# KiCad board central-control-unit.kicad_pcb (continued)
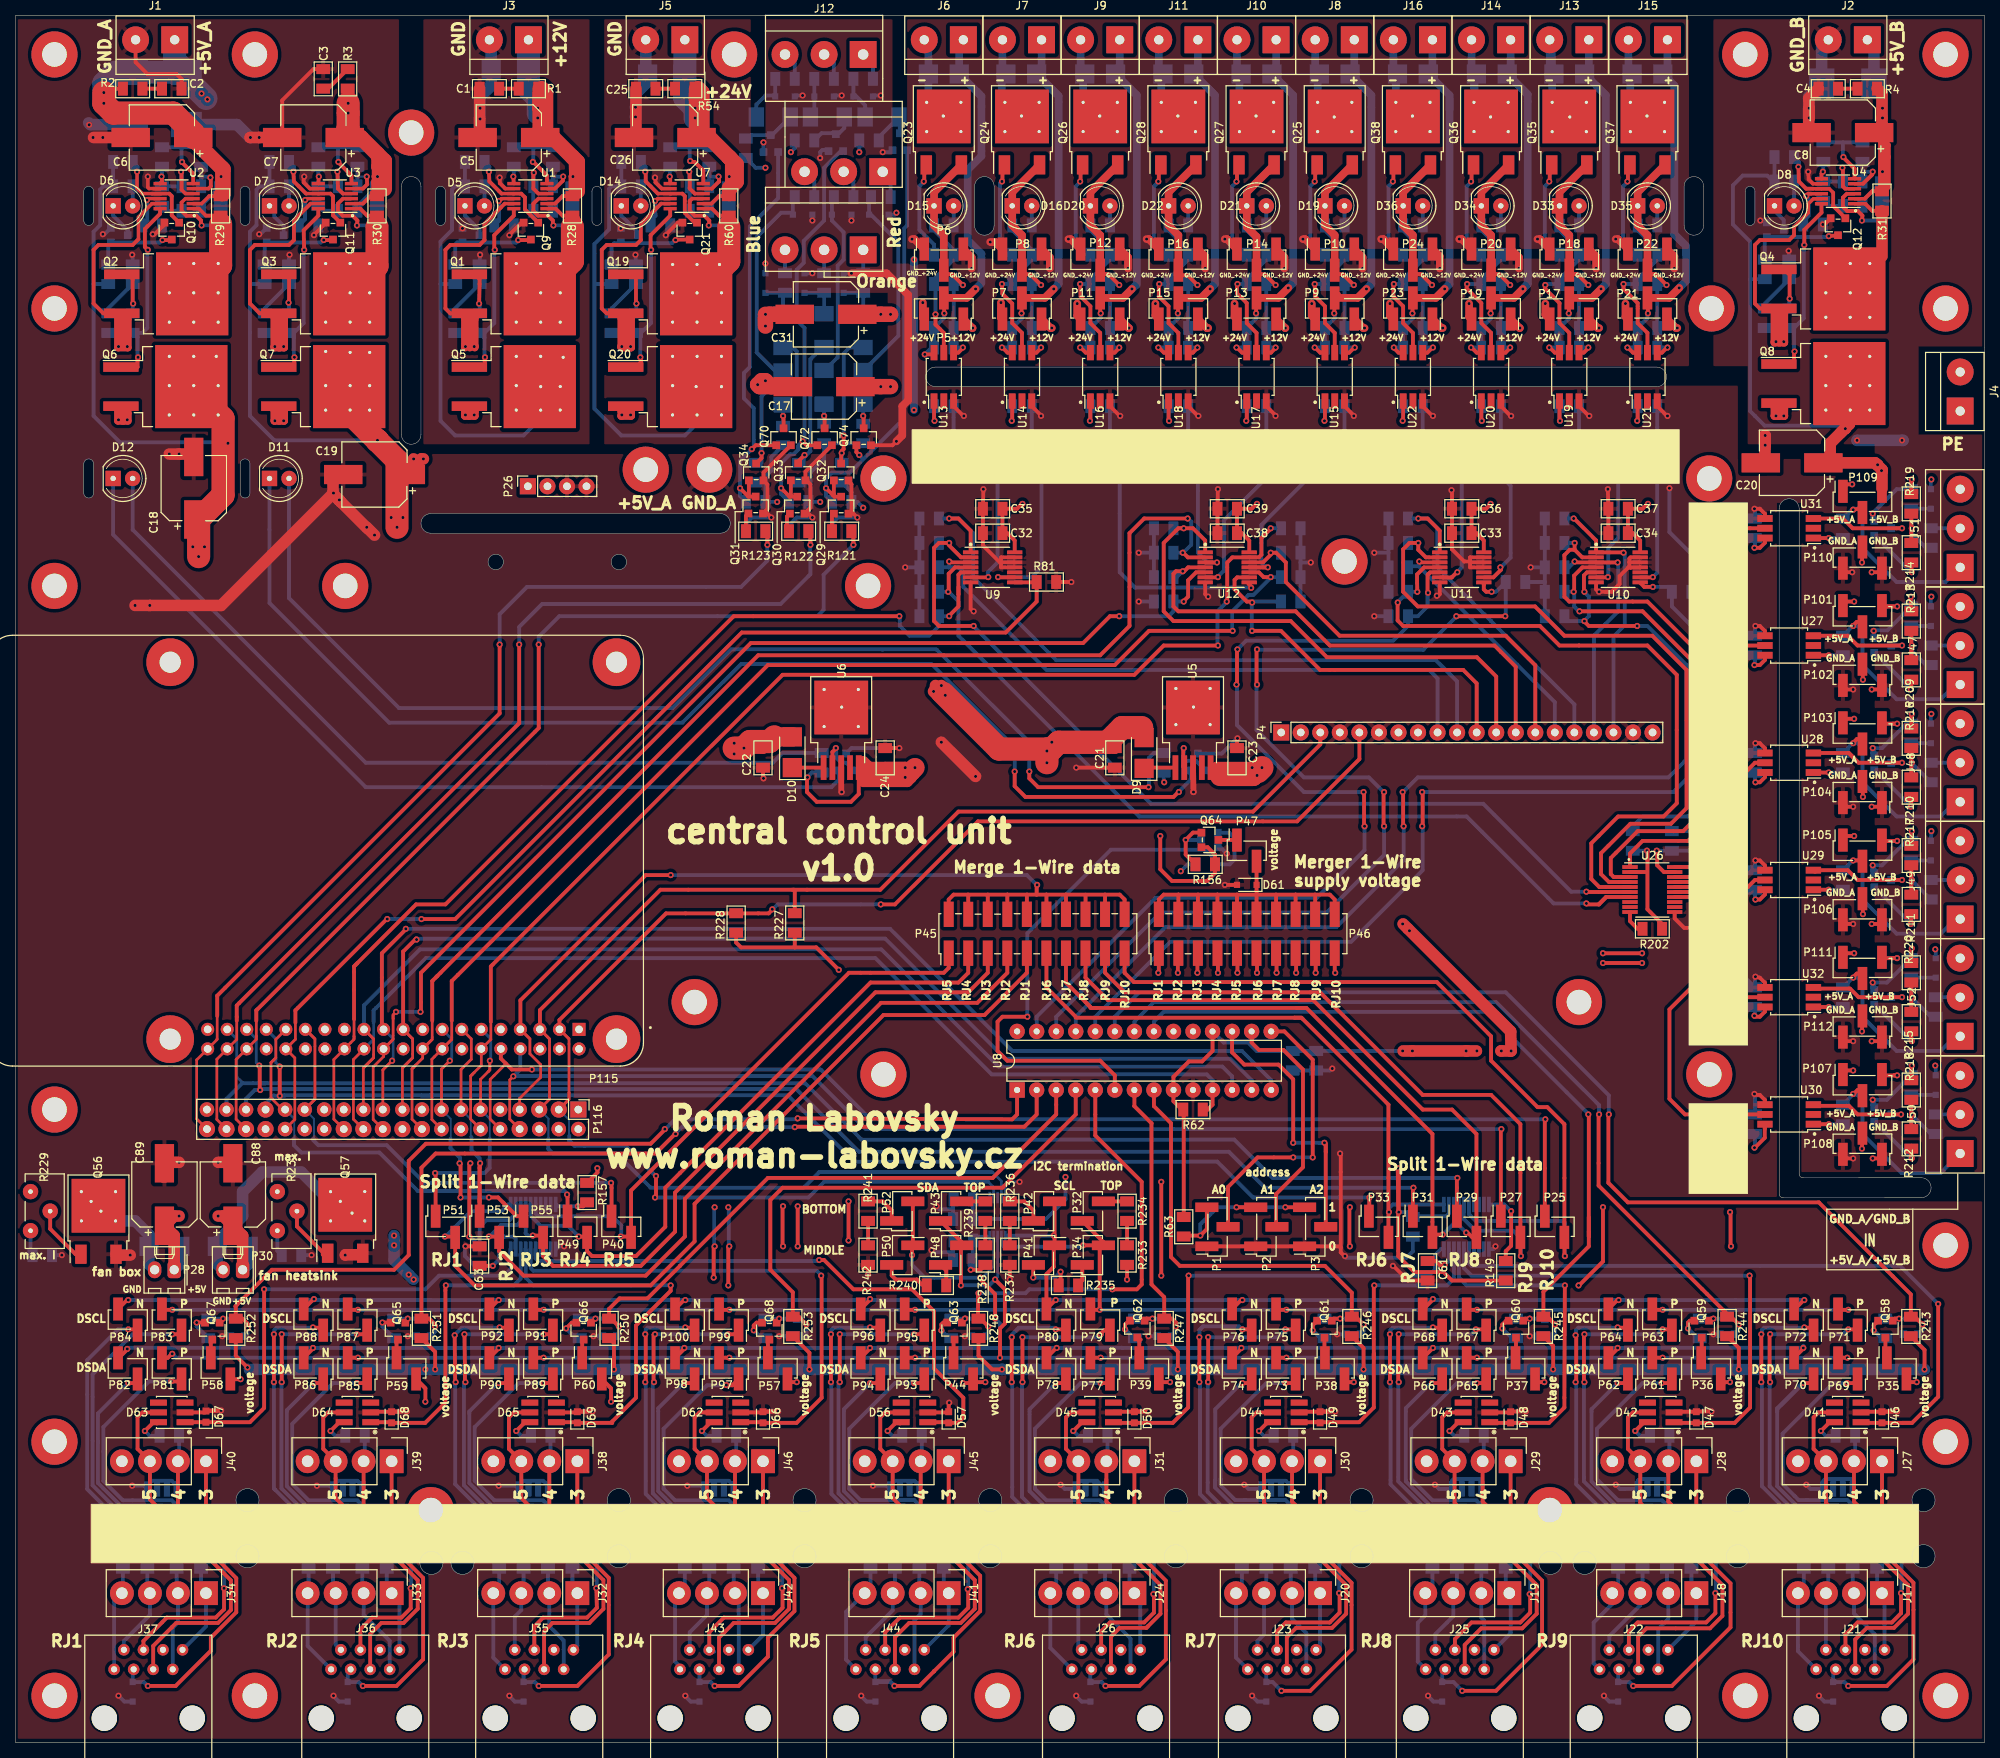
[diagram p0: board, top side]
## Placement (name value [footprint] x y rotation side) (continued)
~#152  ~  [via_pad_0.4x0.8mm]  140.91 211.45 0 top
~#153  ~  [via_pad_0.4x0.8mm]  46.04 180.72 0 top
~#154  ~  [via_pad_0.4x0.8mm]  161.23 211.45 0 top
~#155  ~  [via_pad_0.4x0.8mm]  171.39 211.33 0 top
~#156  ~  [via_pad_0.4x0.8mm]  26.35 192.28 0 top
~#157  ~  [via_pad_0.4x0.8mm]  71.18 180.09 0 top
~#158  ~  [via_pad_0.4x0.8mm]  26.1 180.21 0 top
~#159  ~  [via_pad_0.4x0.8mm]  201.99 211.33 0 top
~#160  ~  [via_pad_0.4x0.8mm]  9.84 70.36 0 top
~#161  ~  [via_pad_0.4x0.8mm]  70.8 192.28 0 top
~#162  ~  [via_pad_0.4x0.8mm]  40.32 192.28 0 top

## Library data of the parts
C1-C4 C9-C16 C21-C25 C27-C30 C32-C87 = -: Description: Unpolarized capacitor. Size 1206.
C5-C8 C17-C20 C26 C31 C88 C89 = -: Description: Polarized capacitor. Size 8x10.5 mm.
D1 = -: Description: Bidirectional transil diode.
D2-D4 D13 = -: Description: Template. Bidirectional transil diode.
D5-D8 D11 D12 D14 = -: Description: Template. Light emitting diode. Red color. Cylindrical with flange type.
D9 D10 D17 D18 D23-D26 D37-D40 D58 D59 = -: Description: Schottky diode.
D15 D16 D19-D22 D33-D36 = -: Description: Light emitting diode. Green color. Cylindrical with flange type.
D27-D29 D90-D95 = -: Description: Schottky diode
D30-D32 D46-D55 D57 D60 D61 D66-D73 D84-D89 D96-D101 = -: Description: Unidirectional transil diode.
D41-D45 D56 D62-D65 = -: Description: ESD protection diode with resistors 5 ohm in A and K. US symbol.
D74-D83 = -: Description: Bi-directional ESD Protection for High-Speed Data Line.
H1-H32 = -: Description: Mounting hole with connection. Size 3.2x6 mm.
J1-J11 J13-J16 = -: Description: Template. 1x2 screw terminal block.
J12 = -: Description: 3x3 screw terminal block
J17-J20 J24 J27-J34 J38-J42 J45 J46 = -: Description: IDC LSA connector 1x4
J21-J23 J25 J26 J35-J37 J43 J44 = -: Description: Template. RJ45 connector, (8 positions 8 connected).
J47-J52 = -: Description: Template. Screw terminal block 1x3.
P1-P3 P5-P24 P101-P112 = -: Description: 1x3 pin header
P4 = -: Description: 1x20 pin socket
P25 P27 P29 P31-P44 P47-P53 P55 P57-P100 = -: Description: Template. 1x2 pin header.
P26 = -: Description: 1x4 pin socket. Height 8.5 mm.
P45 P46 = -: Description: 2x10 pin header; Datasheet2: https://cdn.amphenol-cs.com/media/wysiwyg/files/documentation/datasheet/boardwiretoboard/bwb_bergstik.pdf
P115 = -: Description: 2x20 pin socket
P116 = -: Description: 2x20 pin header
Q1-Q16 Q19-Q55 Q69-Q74 = -: Description: Mosfet n-channel.
Q17 Q18 = -: Description: P-MOSFET transistor, gate/source/drain
Q56 Q57 = -: Description: Template. Mosfet n-channel.
Q58-Q68 = -: Description: P-MOSFET transistor, gate/source/drain.
R1-R228 R230 R232-R275 = -: Description: Resistor. US symbol. Size 1206.
R229 R231 = -: Description: Varaible resistor. US symbol.
U1-U4 U7 = -: Description: Micropower Hot Swap Controller. MSOP-12. Analog Devices; Manufacturer: Analog Devices
U5 U6 = -: Description: Low-Dropout Regulator. Output voltage 3.3 V. TO-252-5.
U8 = -: Description: 16-bit I/O expander, SPI, interrupts, w pull-ups, SOIC-28; Manufacturer: Microchip
U9-U11 = -: Description: Automotive triplicate 3-input OR gates with Schmitt-trigger inputs; Manufacturer: Texas Instruments
U12 = -: Description: Automotive quadruple 2-input OR gates with Schmitt-trigger inputs; Manufacturer: Texas Instruments
U13-U22 U27-U32 = -: Description: Optocoupler TLP2345
U23 U24 U26 = -: Description: Bidirectional  level-shifting voltage translator, 8-bit; Manufacturer: Texas Instruments
U25 = -: Description: 2-channel multipoint Fast-mode Plus differential I2C-bus buffer; Manufacture: NXP Semiconductors

## Footprints (pads in the part's own frame, mm; a bottom-side part is the same pattern mirrored in y, then rotated)
1x2_pin_header_2.54mm_vertical
  rect 1.25x3 smd: 1(-1.27,1.375) 2(1.27,-1.375)
1x3_pin_header_2.54mm_vertical
  rect 1.25x3 smd: 1(-2.54,1.375) 2(0,-1.375) 3(2.54,1.375)
1x4_idc_lsa_connector_general
  rect 3.1x3.1 hole 1.5: 1(0,0)
  oval 3.1x3.1 hole 1.5: 2(0,-3.64) 3(0,-7.28) 4(0,-10.92)
1x4_pin_socket_2.54mm_vertical_8.5mm
  rect 2.1x2.1 hole 1: 1(0,0)
  oval 2.1x2.1 hole 1: 2(0,-2.54) 3(0,-5.08) 4(0,-7.62)
1x20_pin_socket_2.54mm_vertical_8.5mm
  rect 2.1x2.1 hole 1: 1(0,0)
  round 2.1 hole 1: 2(0,-2.54) 3(0,-5.08) 4(0,-7.62) 5(0,-10.16) 6(0,-12.7) 7(0,-15.24) 8(0,-17.78) 9(0,-20.32) 10(0,-22.86) 11(0,-25.4) 12(0,-27.94) 13(0,-30.48) 14(0,-33.02) 15(0,-35.56) 16(0,-38.1) 17(0,-40.64) 18(0,-43.18) 19(0,-45.72) 20(0,-48.26)
2x10_pin_header_2.54mm_vertical
  rect 1.3x3.3 smd: 1(-11.43,-2.525) 2(-11.43,2.525) 3(-8.89,-2.525) 5(-6.35,-2.525) 6(-6.35,2.525) 7(-3.81,-2.525) 8(-3.81,2.525) 9(-1.27,-2.525) 10(-1.27,2.525) 11(1.27,-2.525) 12(1.27,2.525) 13(3.81,-2.525) 14(3.81,2.525) 15(6.35,-2.525) 16(6.35,2.525) 17(8.89,-2.525) 18(8.89,2.525) 19(11.43,-2.525) 20(11.43,2.525)
  rect 1.3x3.25 smd: 4(-8.89,2.525)
2x20_pin_header_2.54mm_vertical
  rect 2.1x2.1 hole 1: 1(-1.27,0)
  oval 1.9x1.9 hole 1: 2(1.27,0) 4(1.27,-2.54) 6(1.27,-5.08) 7(-1.27,-7.62) 9(-1.27,-10.16) 10(1.27,-10.16) 11(-1.27,-12.7) 12(1.27,-12.7) 13(-1.27,-15.24) 14(1.27,-15.24) 15(-1.27,-17.78) 16(1.27,-17.78) 17(-1.27,-20.32) 19(-1.27,-22.86) 21(-1.27,-25.4) 23(-1.27,-27.94) 25(-1.27,-30.48) 27(-1.27,-33.02) 28(1.27,-33.02) 29(-1.27,-35.56) 30(1.27,-35.56) 31(-1.27,-38.1) 32(1.27,-38.1) 35(-1.27,-43.18) 37(-1.27,-45.72) 39(-1.27,-48.26)
  oval 2.1x2.1 hole 1: 3(-1.27,-2.54) 5(-1.27,-5.08) 8(1.27,-7.62) 18(1.27,-20.32) 20(1.27,-22.86) 22(1.27,-25.4) 24(1.27,-27.94) 26(1.27,-30.48) 33(-1.27,-40.64) 34(1.27,-40.64) 36(1.27,-43.18) 38(1.27,-45.72) 40(1.27,-48.26)
54601-908WPLF
  round 3.3 hole 3.3 unplated: (-5.716,0) (5.716,0)
  round 1.5 hole 0.8: 1(-4.444,6.35) 2(-3.174,8.89) 3(-1.904,6.35) 4(-0.634,8.89) 5(0.636,6.35) 6(1.906,8.89) 7(3.176,6.35) 8(4.446,8.89)
AKZ770_3-5.08-V-GREEN
  rect 3.5x3.5 hole 1.35: 1(-5.08,10.16) 4(-7.62,0) 7(-5.08,-15.24)
  round 3.5 hole 1.35: 2(0,10.16) 3(5.08,10.16) 5(-2.54,0) 6(2.54,0) 8(0,-15.24) 9(5.08,-15.24)
c_1206
  trapezoid 1.3x1.8 smd: 1(-1.27,0) 2(1.27,0)
c_elec_8x10.5
  rect 5x2.5 smd: 1(-4.064,0) 2(4.064,0)
EBBA-02-C-SS-BU
  rect 3.5x3.5 hole 1.2: 1(-2.54,0)
  round 3.5 hole 1.2: 2(2.54,0)
EBBA-03-C-SS-BU
  rect 3.5x3.5 hole 1.2: 1(-5.08,0)
  round 3.5 hole 1.2: 2(0,0) 3(5.08,0)
led_d5mm_2.54mm
  rect 2x2 hole 0.7: 1(-1.27,0)
  round 2 hole 0.7: 2(1.27,0)
module_raspberry_pi_4b
  rect 1.7x1.7 hole 1: 1(-34.13,23.23)
  round 1.7 hole 1: 2(-34.13,25.77) 3(-31.59,23.23) 4(-31.59,25.77) 5(-29.05,23.23) 6(-29.05,25.77) 7(-26.51,23.23) 8(-26.51,25.77) 9(-23.97,23.23) 10(-23.97,25.77) 11(-21.43,23.23) 12(-21.43,25.77) 13(-18.89,23.23) 14(-18.89,25.77) 15(-16.35,23.23) 16(-16.35,25.77) 17(-13.81,23.23) 18(-13.81,25.77) 19(-11.27,23.23) 20(-11.27,25.77) 21(-8.73,23.23) 22(-8.73,25.77) 23(-6.19,23.23) 24(-6.19,25.77) 25(-3.65,23.23) 26(-3.65,25.77) 27(-1.11,23.23) 28(-1.11,25.77) 29(1.43,23.23) 30(1.43,25.77) 31(3.97,23.23) 32(3.97,25.77) 33(6.51,23.23) 34(6.51,25.77) 35(9.05,23.23) 36(9.05,25.77) 37(11.59,23.23) 38(11.59,25.77) 39(14.13,23.23) 40(14.13,25.77)
  round 6.2 hole 2.75: S1(-39,24.5) S2(19,24.5) S3(19,-24.5) S4(-39,-24.5)
molex_kk_254_1x02_2.54mm_22112022_vertical
  rrect 1.74x2.19 hole 1.19: 1(-1.27,0)
  oval 1.74x2.19 hole 1.19: 2(1.27,0)
mounting_hole_pad_3.2x6mm
  round 6 hole 3.2: 1(0,0)
msop_12
  rect 1.7x0.45 smd: 1(-2.15,1.625) 2(-2.15,0.975) 3(-2.15,0.325) 4(-2.15,-0.325) 5(-2.15,-0.975) 6(-2.15,-1.625) 7(2.15,-1.625) 8(2.15,-0.975) 9(2.15,-0.325) 10(2.15,0.325) 11(2.15,0.975) 12(2.15,1.625)
r_1206
  trapezoid 1.3x1.8 smd: 1(-1.27,0) 2(1.27,0)
sma
  rect 2.5x2.5 smd: 1(-2,0) 2(2,0)
smb
  rect 2.5x2.5 smd: 1(-2.3,0) 2(2.3,0)
smc
  rect 3.3x4 smd: 1(-3.4,0) 2(3.4,0)
so_6
  rect 2x0.9 smd: 1(-3.15,1.27) 2(-3.15,0) 3(-3.15,-1.27) 4(3.15,-1.27) 5(3.15,0) 6(3.15,1.27)
sod_128
  rect 2x2.5 smd: 1(-2.2,0) 2(2.2,0)
sod_323
  rect 0.8x0.8 smd: 1(-1.27,0) 2(1.27,0)
sod_523
  rect 0.9x0.9 smd: 1(-0.725,0) 2(0.725,0)
soic_8_3.9mmx4.9mm
  rect 2x0.8 smd: 1(-2.76,1.905) 2(-2.76,0.635) 3(-2.76,-0.635) 4(-2.76,-1.905) 5(2.76,-1.905) 6(2.76,-0.635) 7(2.76,0.635) 8(2.76,1.905)
sot_23
  rect 1x1 smd: 1(-1,0.95) 2(-1,-0.95) 3(1.2,0)
spdip_28
  rect 2x2 hole 0.8: 1(-3.81,16.51)
  oval 2x2 hole 0.8: 2(-3.81,13.97) 3(-3.81,11.43) 4(-3.81,8.89) 5(-3.81,6.35) 6(-3.81,3.81) 7(-3.81,1.27) 8(-3.81,-1.27) 9(-3.81,-3.81) 10(-3.81,-6.35) 11(-3.81,-8.89) 12(-3.81,-11.43) 13(-3.81,-13.97) 14(-3.81,-16.51) 15(3.81,-16.51) 16(3.81,-13.97) 17(3.81,-11.43) 18(3.81,-8.89) 19(3.81,-6.35) 20(3.81,-3.81) 21(3.81,-1.27) 22(3.81,1.27) 23(3.81,3.81) 24(3.81,6.35) 25(3.81,8.89) 26(3.81,11.43) 27(3.81,13.97) 28(3.81,16.51)
T910Y
  round 2 hole 0.6: 1(2.54,-1.841) 2(0,0.711) 3(-2.54,-1.841)
to_252_2
  rect 3.05x2.75 smd: (0.425,1.525) (0.425,-1.525) (3.775,1.525) (3.775,-1.525)
  rect 2.5x1.5 smd: 1(-4.2,2.28) 2(-4.2,-2.28)
  rect 7x7 smd: 3(2.1,0)
to_252_5
  rect 3.05x2.75 smd: (0.425,1.525) (0.425,-1.525) (3.775,1.525) (3.775,-1.525)
  rect 3.2x0.75 smd: 1(-5.715,2.286) 2(-5.715,1.14) 3(-5.715,-0.003) 4(-5.715,-1.146) 5(-5.715,-2.28)
  rect 7x7 smd: 6(2.1,0)
to_263_2
  rect 4.55x5.25 smd: (0.95,2.775) (0.95,-2.775) (5.8,2.775) (5.8,-2.775)
  rect 4.6x1.25 smd: 1(-5.775,2.54) 2(-5.775,-2.54)
  rect 9.4x10.8 smd: 3(3.375,0)
tsoc_6
  rect 2.2x0.8 smd: 1(-1.727,1.27) 2(-1.727,0) 3(-1.727,-1.27) 4(1.727,-1.27) 5(1.727,0) 6(1.727,1.27)
tssop_10
  rect 1.5x0.35 smd: 1(-2.54,1) 2(-2.54,0.5) 3(-2.54,0) 4(-2.54,-0.5) 5(-2.54,-1) 6(2.54,-1) 7(2.54,-0.5) 8(2.54,0) 9(2.54,0.5) 10(2.54,1)
tssop_14
  rect 2x0.5 smd: 1(-2.862,1.95) 2(-2.862,1.3) 3(-2.862,0.65) 4(-2.862,0) 5(-2.862,-0.65) 6(-2.862,-1.3) 8(2.862,-1.95) 9(2.862,-1.3) 10(2.862,-0.65) 11(2.862,0) 12(2.862,0.65) 13(2.862,1.3) 14(2.862,1.95)
  trapezoid 2x0.5 smd: 7(-2.862,-1.95)
tssop_20
  rect 2x0.5 smd: 1(-2.902,4.225) 2(-2.902,3.575) 3(-2.902,2.925) 4(-2.902,2.275) 5(-2.902,1.625) 6(-2.902,0.975) 7(-2.902,0.325) 8(-2.902,-0.325) 9(-2.902,-0.975) 10(-2.902,-1.625) 11(2.902,-1.625) 12(2.902,-0.975) 13(2.902,-0.325) 14(2.902,0.325) 15(2.902,0.975) 16(2.902,1.625) 17(2.902,2.275) 18(2.902,2.925) 19(2.902,3.575) 20(2.902,4.225)
via_pad_0.4x0.8mm
  round 0.8 hole 0.4: (0,0)

## Nets
+5V_A: C6.1 C7.1 D2.1 D3.1 J1.1 R2.1 R3.1 R9.1 R14.1 R25.1 R26.1 R29.2 R30.2 U2.2 U3.2
+12V: C17.1 P5.1 P7.1 P9.1 P11.1 P13.1 P15.1 P17.1 P19.1 P21.1 P23.1 Q5.3 R40.1 R44.1 R48.1 ~#4. ~#7. ~#49. ~#50. ~#51. ~#52. ~#53. ~#54. ~#157.
+24V: C31.1 P5.3 P7.3 P9.3 P11.3 P13.3 P15.3 P17.3 P19.3 P21.3 P23.3 Q20.3 R65.1 R66.1 R67.1 ~#5. ~#6. ~#63. ~#64. ~#65. ~#66. ~#67. ~#68. ~#69.
GND_+12V: C1.2 C5.2 C9.2 C13.2 C17.2 D1.2 J3.2 P6.3 P8.3 P10.3 P12.3 P14.3 P16.3 P18.3 P20.3 P22.3 P24.3 Q9.2 Q13.2 U1.8
GND_+24V: C25.2 C26.2 C27.2 C28.2 C31.2 D13.2 J5.2 P6.1 P8.1 P10.1 P12.1 P14.1 P16.1 P18.1 P20.1 P22.1 P24.1 Q21.2 Q22.2 U7.8
GND_A: C2.2 C3.2 C6.2 C7.2 C10.2 C11.2 C14.2 C15.2 C18.2 C19.2 C21.2 C22.2 C23.2 C24.2 C29.2 C30.2 C32.1 C33.1 C34.1 C35.2 C36.2 C37.2 C38.1 C39.2 C60.1 C61.2 C62.1 C63.2 C64.2 C65.2 C66.2 C67.2 C68.1 C69.2 C70.2 C71.2 C72.2 C73.2 C74.2 C75.2 C76.2 C77.2 C78.2 C79.2 C80.2 C81.2 C88.2 C89.2 D2.2 D3.2 D30.2 D31.2 D32.2 D41.2 D42.2 D43.2 D44.2 D45.2 D46.2 D47.2 D48.2 D49.2 D50.2 D51.2 D52.2 D53.2 D54.2 D55.2 D56.2 D57.2 D60.2 D61.2 D62.2 D63.2 D64.2 D65.2 D66.2 D67.2 D68.2 D69.2 D70.2 D71.2 D72.2 D73.2 D74.5 D74.6 D74.7 D74.8 D75.5 D75.6 D75.7 D75.8 D76.5 D76.6 D76.7 D76.8 D77.5 D77.6 D77.7 D77.8 D78.5 D78.6 D78.7 D78.8 D79.5 D79.6 D79.7 D79.8 D80.5 D80.6 D80.7 D80.8 D81.5 D81.6 D81.7 D81.8 D82.5 D82.6 D82.7 D82.8 D83.5 D83.6 D83.7 D83.8 D96.2 D97.2 D98.2 D99.2 D100.2 D101.2 H2.1 J1.2 P1.1 P2.1 P3.1 P4.4 P4.6 P4.19 P26.3 P26.4 P102.3 P104.3 P106.3 P108.3 P110.3 P112.3 Q10.2 Q11.2 Q14.2 Q15.2 Q17.3 Q18.3 Q29.2 Q30.2 Q31.2 Q32.2 Q33.2 Q34.2 Q39.2 Q40.2 Q41.2 Q42.2 Q43.2 Q44.2 Q45.2 Q46.2 Q47.2 Q48.2 Q49.2 Q56.2 Q57.2 Q69.2 Q70.2 Q71.2 Q72.2 Q73.2 Q74.2 R68.2 R69.2 R70.2 R71.2 R72.2 R73.2 R74.2 R75.2 R76.2 R77.2 R78.2 R79.2 R80.2 R81.2 R82.2 R83.2 R84.2 R85.2 R86.2 R87.2 R88.2 R89.2 R90.2 R91.2 R92.2 R93.2 R118.2 R119.2 R120.2 R230.1 R232.1 R237.2 R242.2 U2.8 U3.8 U5.3 U5.6 U6.3 U6.6 U8.10 U9.7 U9.11 U9.12 U9.13 U10.7 U10.11 U10.12 U10.13 U11.7 U11.11 U11.12 U11.13 U12.7 U13.3 U14.3 U15.3 U16.3 U17.3 U18.3 U19.3 U20.3 U21.3 U22.3 U23.11 U24.11 U25.5 U26.11 U27.4 U28.4 U29.4 U30.4 U31.4 U32.4 ~#136. ~#137. ~#138. ~#139. ~#140. ~#141. ~#142. ~#143. ~#144. ~#145.
GND_B: C4.2 C8.2 C12.2 C16.2 C20.2 D4.2 J2.2 P102.1 P104.1 P106.1 P108.1 P110.1 P112.1 Q12.2 Q16.2 U4.8
1WIRE_CELLAR_FIREPLACE_DATA_3V3: P51.1 P115.11 P116.11
1WIRE_CELLAR_FIREPLACE_DATA_5V_CON: J37.4 J40.2 R274.2
1WIRE_CELLAR_FIREPLACE_GND_CON: D63.5 J37.5 J40.3
1WIRE_CELLAR_FIREPLACE_SUPPLY_5V_CON: D71.1 J37.3 J40.1 P46.1 P58.2
1WIRE_FIRST_FLOOR_FIREPLACE_DATA_3V3: P53.1 P115.13 P116.13
1WIRE_FIRST_FLOOR_FIREPLACE_DATA_5V_CON: J36.4 J39.2 R272.2
1WIRE_FIRST_FLOOR_FIREPLACE_GND_CON: D64.5 J36.5 J39.3
1WIRE_FIRST_FLOOR_FIREPLACE_SUPPLY_5V_CON: D72.1 J36.3 J39.1 P46.3 P59.2
1WIRE_FREE1_DATA_3V3: P33.1 P115.33 P116.33
1WIRE_FREE1_DATA_5V_CON: J26.4 J31.2 R269.2
1WIRE_FREE1_GND_CON: D45.5 J26.5 J31.3
1WIRE_FREE1_SUPPLY_5V_CON: D55.1 J26.3 J31.1 P39.2 P46.11
1WIRE_FREE2_DATA_3V3: P31.1 P115.35 P116.35
1WIRE_FREE2_DATA_5V_CON: J23.4 J30.2 R271.2
1WIRE_FREE2_GND_CON: D44.5 J23.5 J30.3
1WIRE_FREE2_SUPPLY_5V_CON: D54.1 J23.3 J30.1 P38.2 P46.13
1WIRE_FREE3_DATA_3V3: P29.1 P115.37 P116.37
1WIRE_FREE3_DATA_5V_CON: J25.4 J29.2 R268.2
1WIRE_FREE3_GND_CON: D43.5 J25.5 J29.3
1WIRE_FREE3_SUPPLY_5V_CON: D53.1 J25.3 J29.1 P37.2 P46.15
1WIRE_FREE4_DATA_3V3: P27.1 P115.8 P116.8
1WIRE_FREE4_DATA_5V_CON: J22.4 J28.2 R266.2
1WIRE_FREE4_GND_CON: D42.5 J22.5 J28.3
1WIRE_FREE4_SUPPLY_5V_CON: D52.1 J22.3 J28.1 P36.2 P46.17
1WIRE_FREE5_DATA_3V3: P25.1 P115.10 P116.10
1WIRE_FREE5_DATA_5V_CON: J21.4 J27.2 R270.2
1WIRE_FREE5_GND_CON: D41.5 J21.5 J27.3
1WIRE_FREE5_SUPPLY_5V_CON: D51.1 J21.3 J27.1 P35.2 P46.19
1WIRE_HOT_WATER_TANK_DATA_3V3: P49.1 P115.31 P116.31
1WIRE_HOT_WATER_TANK_DATA_5V_CON: J43.4 J46.2 R275.2
1WIRE_HOT_WATER_TANK_GND_CON: D62.5 J43.5 J46.3
1WIRE_HOT_WATER_TANK_SUPPLY_5V_CON: D70.1 J43.3 J46.1 P46.7 P57.2
1WIRE_MERGE_CONNECTION_DATA_3V3: P45.2 P45.4 P45.6 P45.8 P45.10 P45.12 P45.14 P45.16 P45.18 P45.20 P115.7 P116.7
1WIRE_OUTDOOR_SENSOR_DATA_3V3: P40.1 P115.29 P116.29
1WIRE_OUTDOOR_SENSOR_DATA_5V_CON: J44.4 J45.2 R267.2
1WIRE_OUTDOOR_SENSOR_GND_CON: D56.5 J44.5 J45.3
1WIRE_OUTDOOR_SENSOR_SUPPLY_5V_CON: D60.1 J44.3 J45.1 P44.2 P46.9
1WIRE_SECOND_FLOOR_FIREPLACE_DATA_3V3: P55.1 P115.15 P116.15
1WIRE_SECOND_FLOOR_FIREPLACE_DATA_5V_CON: J35.4 J38.2 R273.2
1WIRE_SECOND_FLOOR_FIREPLACE_GND_CON: D65.5 J35.5 J38.3
1WIRE_SECOND_FLOOR_FIREPLACE_SUPPLY_5V_CON: D73.1 J35.3 J38.1 P46.5 P60.2
/1-Wire bus/1WIRE_CELLAR_FIREPLACE_DATA_5V: D63.1 D67.1 U24.20
/1-Wire bus/1WIRE_CELLAR_FIREPLACE_DATA_OUT_3V3: P45.9 P51.2 U24.1
/1-Wire bus/1WIRE_FIRST_FLOOR_FIREPLACE_DATA_5V: D64.1 D68.1 U24.18
/1-Wire bus/1WIRE_FIRST_FLOOR_FIREPLACE_DATA_OUT_3V3: P45.7 P53.2 U24.3
/1-Wire bus/1WIRE_FREE1_DATA_5V: D45.1 D50.1 U23.20
/1-Wire bus/1WIRE_FREE1_DATA_OUT_3V3: P33.2 P45.11 U23.1
/1-Wire bus/1WIRE_FREE2_DATA_5V: D44.1 D49.1 U23.18
/1-Wire bus/1WIRE_FREE2_DATA_OUT_3V3: P31.2 P45.13 U23.3
/1-Wire bus/1WIRE_FREE3_DATA_5V: D43.1 D48.1 U23.17
/1-Wire bus/1WIRE_FREE3_DATA_OUT_3V3: P29.2 P45.15 U23.4
/1-Wire bus/1WIRE_FREE4_DATA_5V: D42.1 D47.1 U23.16
/1-Wire bus/1WIRE_FREE4_DATA_OUT_3V3: P27.2 P45.17 U23.5
/1-Wire bus/1WIRE_FREE5_DATA_5V: D41.1 D46.1 U23.15
/1-Wire bus/1WIRE_FREE5_DATA_OUT_3V3: P25.2 P45.19 U23.6
/1-Wire bus/1WIRE_HOT_WATER_TANK_DATA_5V: D62.1 D66.1 U24.16
/1-Wire bus/1WIRE_HOT_WATER_TANK_DATA_OUT_3V3: P45.3 P49.2 U24.5
/1-Wire bus/1WIRE_MERGE_CONNECTION_SUPPLY_5V_CON: D61.1 P46.2 P46.4 P46.6 P46.8 P46.10 P46.12 P46.14 P46.16 P46.18 P46.20 P47.2
/1-Wire bus/1WIRE_OUTDOOR_SENSOR_DATA_5V: D56.1 D57.1 U24.15
/1-Wire bus/1WIRE_OUTDOOR_SENSOR_DATA_OUT_3V3: P40.2 P45.1 U24.6
/1-Wire bus/1WIRE_SECOND_FLOOR_FIREPLACE_DATA_5V: D65.1 D69.1 U24.17
/1-Wire bus/1WIRE_SECOND_FLOOR_FIREPLACE_DATA_OUT_3V3: P45.5 P55.2 U24.4
/ Relays Outputs/BLUE_LED_CON_1: J12.3 R132.2
/ Relays Outputs/BLUE_LED_CON_2: J12.6 R261.2
/ Relays Outputs/BLUE_LED_CON_3: J12.9 R260.2
/ Relays Outputs/ORANGE_LED_CON_1: J12.2 R131.2
/ Relays Outputs/ORANGE_LED_CON_2: J12.5 R263.2
/ Relays Outputs/ORANGE_LED_CON_3: J12.8 R264.2
/ Relays Outputs/RED_LED_CON_1: J12.1 R130.2
/ Relays Outputs/RED_LED_CON_2: J12.4 R265.2
/ Relays Outputs/RED_LED_CON_3: J12.7 R262.2
/ Relays Outputs/TRAN_BLUE_LED: Q31.3 Q34.1 Q69.1 Q70.1 R126.2
/ Relays Outputs/TRAN_ORANGE_LED: Q30.3 Q33.1 Q72.1 Q73.1 R125.2
/ Relays Outputs/TRAN_RED_LED: Q29.3 Q32.1 Q71.1 Q74.1 R124.2
/Connectors/PCB_FREE1_5V: U26.16 U29.5
/Connectors/PCB_FREE2_5V: U26.17 U28.5
/Connectors/PCB_FREE3_5V: U26.18 U27.5
/Connectors/PCB_FREE4_5V: U26.20 U31.5
/Connectors/PCB_PUMP_UNDERFLOOR_HEATING_FIRST_FOOR_5V: U26.14 U30.5
/Connectors/PCB_PUMP_UNDERFLOOR_HEATING_SECOND_FOOR_5V: U26.15 U32.5
/I2C bus/DSCL_N: P41.1 P42.2 P64.2 P68.2 P72.2 P76.2 P80.2 P84.2 P88.2 P92.2 P96.2 P100.2 U25.6
/I2C bus/DSCL_P: P32.1 P34.2 P63.2 P67.2 P71.2 P75.2 P79.2 P83.2 P87.2 P91.2 P95.2 P99.2 U25.7
/I2C bus/DSDA_N: P50.1 P52.2 P62.2 P66.2 P70.2 P74.2 P78.2 P82.2 P86.2 P90.2 P94.2 P98.2 U25.9
/I2C bus/DSDA_P: P43.1 P48.2 P61.2 P65.2 P69.2 P73.2 P77.2 P81.2 P85.2 P89.2 P93.2 P97.2 U25.8
/MCP23S17_A0: P1.2 U8.15
/MCP23S17_A1: P2.2 U8.16
/MCP23S17_A2: P3.2 U8.17
CELLAR_FIREPLACE_DSCL_N_CON: J34.4 J37.1 R185.1
CELLAR_FIREPLACE_DSCL_P_CON: J34.3 J37.2 R184.1
CELLAR_FIREPLACE_DSDA_N_CON: J34.2 J37.7 R183.1
CELLAR_FIREPLACE_DSDA_P_CON: J34.1 J37.8 R182.1
Earth_Protective: J4.1 J4.2 P4.20
FIRST_FLOOR_FIREPLACE_DSCL_N_CON: J33.4 J36.1 R189.1
FIRST_FLOOR_FIREPLACE_DSCL_P_CON: J33.3 J36.2 R188.1
FIRST_FLOOR_FIREPLACE_DSDA_N_CON: J33.2 J36.7 R187.1
FIRST_FLOOR_FIREPLACE_DSDA_P_CON: J33.1 J36.8 R186.1
FREE1_DSCL_N_CON: J24.4 J26.1 R181.1
FREE1_DSCL_P_CON: J24.3 J26.2 R180.1
FREE1_DSDA_N_CON: J24.2 J26.7 R179.1
FREE1_DSDA_P_CON: J24.1 J26.8 R178.1
FREE2_DSCL_N_CON: J20.4 J23.1 R177.1
FREE2_DSCL_P_CON: J20.3 J23.2 R176.1
FREE2_DSDA_N_CON: J20.2 J23.7 R175.1
FREE2_DSDA_P_CON: J20.1 J23.8 R174.1
FREE3_DSCL_N_CON: J19.4 J25.1 R169.1
FREE3_DSCL_P_CON: J19.3 J25.2 R168.1
FREE3_DSDA_N_CON: J19.2 J25.7 R167.1
FREE3_DSDA_P_CON: J19.1 J25.8 R166.1
FREE4_DSCL_N_CON: J18.4 J22.1 R165.1
FREE4_DSCL_P_CON: J18.3 J22.2 R164.1
FREE4_DSDA_N_CON: J18.2 J22.7 R163.1
FREE4_DSDA_P_CON: J18.1 J22.8 R162.1
FREE5_DSCL_N_CON: J17.4 J21.1 R173.1
FREE5_DSCL_P_CON: J17.3 J21.2 R172.1
FREE5_DSDA_N_CON: J17.2 J21.7 R171.1
FREE5_DSDA_P_CON: J17.1 J21.8 R170.1
HOT_WATER_TANK_DSCL_N_CON: J42.4 J43.1 R201.1
HOT_WATER_TANK_DSCL_P_CON: J42.3 J43.2 R200.1
HOT_WATER_TANK_DSDA_N_CON: J42.2 J43.7 R199.1
HOT_WATER_TANK_DSDA_P_CON: J42.1 J43.8 R198.1
I2C_SCL: P4.3 P115.5 P116.5 R227.2 U25.4
I2C_SDA: P4.5 P115.3 P116.3 R228.2 U25.2
OTHER_+3V3: C23.1 P4.2 P4.8 R52.1 U5.5
OTHER_+5V_A: C19.1 C21.1 C61.1 C63.1 C66.1 C67.1 C69.1 C70.1 C71.1 C72.1 C73.1 C74.1 C75.1 C76.1 C77.1 C78.1 C79.1 C80.1 C81.1 C88.1 C89.1 D9.2 D58.1 D59.1 P4.1 P28.1 P30.1 P101.1 P103.1 P105.1 P107.1 P109.1 P111.1 Q7.3 Q58.2 Q59.2 Q60.2 Q61.2 Q62.2 Q63.2 Q64.2 Q65.2 Q66.2 Q67.2 Q68.2 R42.1 R46.1 R50.1 R124.1 R125.1 R126.1 R127.1 R128.1 R129.1 R150.1 R151.1 R152.1 R153.1 R154.1 R155.1 R156.1 R158.1 R159.1 R160.1 R161.1 R229.3 R231.3 R233.1 R238.1 R254.1 R255.1 R256.1 R257.1 R258.1 R259.1 U23.19 U24.19 U25.10 U26.19 U27.6 U28.6 U29.6 U30.6 U31.6 U32.6 ~#17. ~#18. ~#19. ~#20. ~#21. ~#22. ~#23. ~#24. ~#153.
OTHER_+5V_B: C20.1 P101.3 P103.3 P105.3 P107.3 P109.3 P111.3 Q8.3 R43.1 R47.1 R51.1 ~#119. ~#120. ~#121. ~#122. ~#123. ~#124. ~#125. ~#126. ~#127.
OUTDOOR_SENSOR_DSCL_N_CON: J41.4 J44.1 R197.1
OUTDOOR_SENSOR_DSCL_P_CON: J41.3 J44.2 R196.1
OUTDOOR_SENSOR_DSDA_N_CON: J41.2 J44.7 R195.1
OUTDOOR_SENSOR_DSDA_P_CON: J41.1 J44.8 R194.1
PCB_FREE1_3V3: R79.1 U11.4 U26.5
PCB_FREE2_3V3: R78.1 U11.2 U26.4
PCB_FREE3_3V3: R76.1 U10.4 U26.3
PCB_FREE4_3V3: R77.1 U10.2 U26.1
PCB_PUMP_UNDERFLOOR_HEATING_FIRST_FOOR_3V3: R74.1 U9.4 U26.7
PCB_PUMP_UNDERFLOOR_HEATING_SECOND_FOOR_3V3: R75.1 U9.2 U26.6
RELAY_BOILER_3V3: R102.1 U12.11
RELAY_FREE1_3V3: R136.1 U11.6
RELAY_FREE2_3V3: R134.1 U11.9
RELAY_FREE3_3V3: R133.1 U10.6
RELAY_FREE4_3V3: R135.1 U10.9
RELAY_PUMP_FIREPLACE_CELLAR_3V3: R103.1 U12.8
RELAY_PUMP_FIREPLACE_FIRST_FLOOR_3V3: R105.1 U12.3
RELAY_PUMP_FIREPLACE_SECOND_FLOOR_3V3: R104.1 U12.6
RELAY_PUMP_UNDERFLOOR_HEATING_FIRST_FOOR_3V3: R94.1 U9.6
RELAY_PUMP_UNDERFLOOR_HEATING_SECOND_FOOR_3V3: R95.1 U9.9
RESET_1WIRE_CELLAR_FIREPLACE_SUPPLY: Q47.1 R252.2 U8.1
RESET_1WIRE_FIRST_FLOOR_FIREPLACE_SUPPLY: Q48.1 R251.2 U8.2
RESET_1WIRE_FREE1_SUPPLY: Q43.1 R247.2 U8.7
RESET_1WIRE_FREE2_SUPPLY: Q42.1 R246.2 U8.8
RESET_1WIRE_FREE3_SUPPLY: Q41.1 R245.2 U8.21
RESET_1WIRE_FREE4_SUPPLY: Q40.1 R244.2 U8.22
RESET_1WIRE_FREE5_SUPPLY: Q39.1 R243.2 U8.23
RESET_1WIRE_HOT_WATER_TANK_SUPPLY: Q46.1 R253.2 U8.4
RESET_1WIRE_MERGE_CONNECTION_SUPPLY: Q45.1 R249.2 U8.6
RESET_1WIRE_OUTDOOR_SENSOR_SUPPLY: Q44.1 R248.2 U8.5
RESET_1WIRE_SECOND_FLOOR_FIREPLACE_SUPPLY: Q49.1 R250.2 U8.3
RPI_BLUE_LED_3V3: P115.40 P116.40 R120.1 R123.2
RPI_BOILER_3V3: P115.12 P116.12 R93.1 U12.13
RPI_FREE1_3V3: R85.1 U8.27 U11.5
RPI_FREE2_3V3: R84.1 U8.26 U11.8
RPI_FREE3_3V3: R82.1 U8.25 U10.5
RPI_FREE4_3V3: R83.1 U8.24 U10.8
RPI_ORANGE_LED_3V3: P115.38 P116.38 R119.1 R122.2
RPI_PUMP_FIREPLACE_CELLAR_3V3: P115.16 P116.16 R92.1 U12.10
RPI_PUMP_FIREPLACE_FIRST_FLOOR_3V3: P115.18 P116.18 R90.1 U12.2
RPI_PUMP_FIREPLACE_SECOND_FLOOR_3V3: P115.22 P116.22 R91.1 U12.5
RPI_PUMP_UNDERFLOOR_HEATING_FIRST_FOOR_3V3: P115.26 P116.26 R80.1 U9.5
RPI_PUMP_UNDERFLOOR_HEATING_SECOND_FOOR_3V3: P115.32 P116.32 R81.1 U9.8
RPI_RED_LED_3V3: P115.36 P116.36 R118.1 R121.2
SECOND_FLOOR_FIREPLACE_DSCL_N_CON: J32.4 J35.1 R193.1
SECOND_FLOOR_FIREPLACE_DSCL_P_CON: J32.3 J35.2 R192.1
SECOND_FLOOR_FIREPLACE_DSDA_N_CON: J32.2 J35.7 R191.1
SECOND_FLOOR_FIREPLACE_DSDA_P_CON: J32.1 J35.8 R190.1
SPI_CLK: P115.23 P116.23 U8.12
SPI_CS: P115.24 P116.24 R62.2 U8.11
SPI_MISO: P115.21 P116.21 U8.14
SPI_MOSI: P115.19 P116.19 U8.13
SWITCH_BOILER_3V3: P4.14 R89.1 U12.12
SWITCH_FREE1_3V3: P4.15 R73.1 U11.3
SWITCH_FREE2_3V3: P4.16 R72.1 U11.1
SWITCH_FREE3_3V3: P4.17 R70.1 U10.3
SWITCH_FREE4_3V3: P4.18 R71.1 U10.1
SWITCH_PUMP_FIREPLACE_CELLAR_3V3: P4.11 R88.1 U12.9
SWITCH_PUMP_FIREPLACE_FIRST_FLOOR_3V3: P4.12 R86.1 U12.1
SWITCH_PUMP_FIREPLACE_SECOND_FLOOR_3V3: P4.13 R87.1 U12.4
SWITCH_PUMP_UNDERFLOOR_HEATING_FIRST_FOOR_3V3: P4.9 R68.1 U9.3
SWITCH_PUMP_UNDERFLOOR_HEATING_SECOND_FOOR_3V3: P4.10 R69.1 U9.1
SYS_+3V3: C24.1 C29.1 C30.1 C32.2 C33.2 C34.2 C35.1 C36.1 C37.1 C38.2 C39.1 C60.2 C62.2 C64.1 C65.1 C68.2 R53.1 R62.1 R63.1 R149.1 R157.1 R202.1 R227.1 R228.1 R243.1 R244.1 R245.1 R246.1 R247.1 R248.1 R249.1 R250.1 R251.1 R252.1 R253.1 U6.5 U8.9 U8.18 U9.14 U10.14 U11.14 U12.14 U23.2 U24.2 U25.1 U26.2
SYS_+5V: C18.1 C22.1 D10.2 H1.1 P26.1 P26.2 Q6.3 R41.1 R45.1 R49.1 ~#33. ~#34. ~#35. ~#36. ~#37. ~#38. ~#39. ~#40. ~#158.
Net-(C1-Pad1): C1.1 R1.2
Net-(C2-Pad1): C2.1 R2.2
Net-(C3-Pad1): C3.1 R3.2
Net-(C4-Pad1): C4.1 R4.2
Net-(C13-Pad1): C13.1 R36.1
Net-(C14-Pad1): C14.1 R37.1
Net-(C15-Pad1): C15.1 R38.1
Net-(C16-Pad1): C16.1 R39.1
Net-(C25-Pad1): C25.1 R54.2
Net-(C28-Pad1): C28.1 R64.1
Net-(D1-A1): C5.1 D1.1 J3.1 R1.1 R5.1 R24.1 R28.2 U1.2
Net-(D4-A1): C8.1 D4.1 J2.1 R4.1 R19.1 R27.1 R31.2 U4.2
Net-(D5-A): D5.2 R48.2
Net-(D5-K): D5.1 Q13.3
Net-(D6-A): D6.2 R49.2
Net-(D6-K): D6.1 Q14.3
Net-(D7-A): D7.2 R50.2
Net-(D7-K): D7.1 Q15.3
Net-(D8-A): D8.2 R51.2
Net-(D8-K): D8.1 Q16.3
Net-(D9-K): D9.1 U5.1
Net-(D10-K): D10.1 U6.1
Net-(D11-A): D11.2 R52.2
Net-(D11-K): D11.1 Q17.2
Net-(D12-A): D12.2 R53.2
Net-(D12-K): D12.1 Q18.2
Net-(D13-A1): C26.1 D13.1 J5.1 R54.1 R55.1 R59.1 R60.2 U7.2
Net-(D14-A): D14.2 R67.2
Net-(D14-K): D14.1 Q22.3
Net-(D15-A): D15.2 R96.2
Net-(D15-K): C40.2 C41.2 D15.1 P6.2 Q23.2 R98.2 U13.4
Net-(D16-A): D16.2 R97.2
Net-(D16-K): C42.2 C43.2 D16.1 P8.2 Q24.2 R100.2 U14.4
Net-(D17-A): D17.2 J6.2 Q23.3 ~#3. ~#70. ~#71. ~#72. ~#73.
Net-(D17-K): C40.1 C41.1 D17.1 J6.1 P5.2 U13.6
Net-(D18-A): D18.2 J7.2 Q24.3 ~#74. ~#75. ~#76. ~#77. ~#150.
Net-(D18-K): C42.1 C43.1 D18.1 J7.1 P7.2 U14.6
Net-(D19-A): D19.2 R106.2
Net-(D19-K): C44.2 C46.2 D19.1 P10.2 Q25.2 R108.2 U15.4
Net-(D20-A): D20.2 R107.2
Net-(D20-K): C45.2 C49.2 D20.1 P12.2 Q26.2 R111.2 U16.4
Net-(D21-A): D21.2 R109.2
Net-(D21-K): C47.2 C50.2 D21.1 P14.2 Q27.2 R113.2 U17.4
Net-(D22-A): D22.2 R110.2
Net-(D22-K): C48.2 C51.2 D22.1 P16.2 Q28.2 R115.2 U18.4
Net-(D23-A): D23.2 J8.2 Q25.3 ~#90. ~#91. ~#92. ~#93. ~#155.
Net-(D23-K): C44.1 C46.1 D23.1 J8.1 P9.2 U15.6
Net-(D24-A): D24.2 J9.2 Q26.3 ~#78. ~#79. ~#80. ~#81. ~#152.
Net-(D24-K): C45.1 C49.1 D24.1 J9.1 P11.2 U16.6
Net-(D25-A): D25.2 J10.2 Q27.3 ~#86. ~#87. ~#88. ~#89. ~#154.
Net-(D25-K): C47.1 C50.1 D25.1 J10.1 P13.2 U17.6
Net-(D26-A): D26.2 J11.2 Q28.3 ~#82. ~#83. ~#84. ~#85. ~#146.
Net-(D26-K): C48.1 C51.1 D26.1 J11.1 P15.2 U18.6
Net-(D27-A): D27.2 Q32.3 R127.2
Net-(D27-K): D27.1 D30.1 R130.1
Net-(D28-A): D28.2 Q33.3 R128.2
Net-(D28-K): D28.1 D31.1 R131.1
Net-(D29-A): D29.2 Q34.3 R129.2
Net-(D29-K): D29.1 D32.1 R132.1
Net-(D33-A): D33.2 R137.2
Net-(D33-K): C52.2 C56.2 D33.1 P18.2 Q35.2 R141.2 U19.4
Net-(D34-A): D34.2 R138.2
Net-(D34-K): C53.2 C57.2 D34.1 P20.2 Q36.2 R142.2 U20.4
Net-(D35-A): D35.2 R139.2
Net-(D35-K): C54.2 C58.2 D35.1 P22.2 Q37.2 R143.2 U21.4
Net-(D36-A): D36.2 R140.2
Net-(D36-K): C55.2 C59.2 D36.1 P24.2 Q38.2 R144.2 U22.4
Net-(D37-A): D37.2 J13.2 Q35.3 ~#102. ~#103. ~#104. ~#105. ~#159.
Net-(D37-K): C52.1 C56.1 D37.1 J13.1 P17.2 U19.6
Net-(D38-A): D38.2 J14.2 Q36.3 ~#98. ~#99. ~#100. ~#101. ~#148.
Net-(D38-K): C53.1 C57.1 D38.1 J14.1 P19.2 U20.6
Net-(D39-A): D39.2 J15.2 Q37.3 ~#106. ~#107. ~#108. ~#109. ~#151.
Net-(D39-K): C54.1 C58.1 D39.1 J15.1 P21.2 U21.6
Net-(D40-A): D40.2 J16.2 Q38.3 ~#94. ~#95. ~#96. ~#97. ~#149.
Net-(D40-K): C55.1 C59.1 D40.1 J16.1 P23.2 U22.6
Net-(D41-K-Pad6): D41.6 R270.1
Net-(D42-K-Pad6): D42.6 R266.1
Net-(D43-K-Pad6): D43.6 R268.1
Net-(D44-K-Pad6): D44.6 R271.1
Net-(D45-K-Pad6): D45.6 R269.1
Net-(D56-K-Pad6): D56.6 R267.1
Net-(D58-A): D58.2 P28.2 Q56.3 ~. ~#128. ~#129. ~#130. ~#131. ~#160.
Net-(D59-A): D59.2 P30.2 Q57.3 ~#2. ~#132. ~#133. ~#134. ~#135. ~#147.
Net-(D62-K-Pad6): D62.6 R275.1
Net-(D63-K-Pad6): D63.6 R274.1
Net-(D64-K-Pad6): D64.6 R272.1
Net-(D65-K-Pad6): D65.6 R273.1
Net-(D74-A-Pad1): D74.1 P61.1 R162.2
Net-(D74-A-Pad2): D74.2 P62.1 R163.2
Net-(D74-A-Pad3): D74.3 P63.1 R164.2
Net-(D74-A-Pad4): D74.4 P64.1 R165.2
Net-(D75-A-Pad1): D75.1 P65.1 R166.2
Net-(D75-A-Pad2): D75.2 P66.1 R167.2
Net-(D75-A-Pad3): D75.3 P67.1 R168.2
Net-(D75-A-Pad4): D75.4 P68.1 R169.2
Net-(D76-A-Pad1): D76.1 P69.1 R170.2
Net-(D76-A-Pad2): D76.2 P70.1 R171.2
Net-(D76-A-Pad3): D76.3 P71.1 R172.2
Net-(D76-A-Pad4): D76.4 P72.1 R173.2
Net-(D77-A-Pad1): D77.1 P73.1 R174.2
Net-(D77-A-Pad2): D77.2 P74.1 R175.2
Net-(D77-A-Pad3): D77.3 P75.1 R176.2
Net-(D77-A-Pad4): D77.4 P76.1 R177.2
Net-(D78-A-Pad1): D78.1 P77.1 R178.2
Net-(D78-A-Pad2): D78.2 P78.1 R179.2
Net-(D78-A-Pad3): D78.3 P79.1 R180.2
Net-(D78-A-Pad4): D78.4 P80.1 R181.2
Net-(D79-A-Pad1): D79.1 P81.1 R182.2
Net-(D79-A-Pad2): D79.2 P82.1 R183.2
Net-(D79-A-Pad3): D79.3 P83.1 R184.2
Net-(D79-A-Pad4): D79.4 P84.1 R185.2
Net-(D80-A-Pad1): D80.1 P85.1 R186.2
Net-(D80-A-Pad2): D80.2 P86.1 R187.2
Net-(D80-A-Pad3): D80.3 P87.1 R188.2
Net-(D80-A-Pad4): D80.4 P88.1 R189.2
Net-(D81-A-Pad1): D81.1 P89.1 R190.2
Net-(D81-A-Pad2): D81.2 P90.1 R191.2
Net-(D81-A-Pad3): D81.3 P91.1 R192.2
Net-(D81-A-Pad4): D81.4 P92.1 R193.2
Net-(D82-A-Pad1): D82.1 P93.1 R194.2
Net-(D82-A-Pad2): D82.2 P94.1 R195.2
Net-(D82-A-Pad3): D82.3 P95.1 R196.2
Net-(D82-A-Pad4): D82.4 P96.1 R197.2
Net-(D83-A-Pad1): D83.1 P97.1 R198.2
Net-(D83-A-Pad2): D83.2 P98.1 R199.2
Net-(D83-A-Pad3): D83.3 P99.1 R200.2
Net-(D83-A-Pad4): D83.4 P100.1 R201.2
Net-(D84-A): C82.2 D84.2 J47.3 P102.2 Q50.2 R213.1
Net-(D84-K): C82.1 D84.1 R209.1 R213.2 R221.2
Net-(D85-A): C83.2 D85.2 J48.3 P104.2 Q51.2 R216.1
Net-(D85-K): C83.1 D85.1 R210.1 R216.2 R222.2
Net-(D86-A): C84.2 D86.2 J49.3 P106.2 Q52.2 R217.1
Net-(D86-K): C84.1 D86.1 R211.1 R217.2 R223.2
Net-(D87-A): C85.2 D87.2 J50.3 P108.2 Q53.2 R218.1
Net-(D87-K): C85.1 D87.1 R212.1 R218.2 R224.2
Net-(D88-A): C86.2 D88.2 J51.3 P110.2 Q54.2 R219.1
Net-(D88-K): C86.1 D88.1 R214.1 R219.2 R225.2
Net-(D89-A): C87.2 D89.2 J52.3 P112.2 Q55.2 R220.1
Net-(D89-K): C87.1 D89.1 R215.1 R220.2 R226.2
Net-(D90-A): D90.2 Q69.3 R254.2
Net-(D90-K): D90.1 D96.1 R260.1
Net-(D91-A): D91.2 Q70.3 R255.2
Net-(D91-K): D91.1 D97.1 R261.1
Net-(D92-A): D92.2 Q71.3 R256.2
Net-(D93-A): D93.2 Q72.3 R257.2
Net-(D93-K): D93.1 D98.1 R263.1
Net-(D94-A): D94.2 Q73.3 R258.2
Net-(D94-K): D94.1 D99.1 R264.1
Net-(D95-A): D95.2 Q74.3 R259.2
Net-(D100-K): D92.1 D100.1 R262.1
Net-(D101-K): D95.1 D101.1 R265.1
Net-(J47-Pin_1): J47.1 P101.2 R203.1
Net-(J47-Pin_2): J47.2 R221.1
Net-(J48-Pin_1): J48.1 P103.2 R204.1
Net-(J48-Pin_2): J48.2 R222.1
Net-(J49-Pin_1): J49.1 P105.2 R205.1
Net-(J49-Pin_2): J49.2 R223.1
Net-(J50-Pin_1): J50.1 P107.2 R206.1
Net-(J50-Pin_2): J50.2 R224.1
Net-(J51-Pin_1): J51.1 P109.2 R207.1
Net-(J51-Pin_2): J51.2 R225.1
Net-(J52-Pin_1): J52.1 P111.2 R208.1
Net-(J52-Pin_2): J52.2 R226.1
Net-(P1-Pad3): P1.3 P2.3 P3.3 R63.2
Net-(P32-Pad2): P32.2 R234.2
Net-(P34-Pad1): P34.1 R235.1
Net-(P41-Pad2): P41.2 R235.2
Net-(P42-Pad1): P42.1 R236.1
Net-(P43-Pad2): P43.2 R239.2
Net-(P48-Pad1): P48.1 R240.1
Net-(P50-Pad2): P50.2 R240.2
Net-(P52-Pad1): P52.1 R241.1
Net-(Q1-D): Q1.3 R28.1 U1.1 ~#41. ~#42. ~#43. ~#44. ~#45. ~#46. ~#47. ~#48. ~#161.
Net-(Q1-G): Q1.1 R32.1
Net-(Q1-S): Q1.2 Q5.2 U1.11
Net-(Q2-D): Q2.3 R29.1 U2.1 ~#25. ~#26. ~#27. ~#28. ~#29. ~#30. ~#31. ~#32. ~#156.
Net-(Q2-G): Q2.1 R33.1
Net-(Q2-S): Q2.2 Q6.2 U2.11
Net-(Q3-D): Q3.3 R30.1 U3.1 ~#9. ~#10. ~#11. ~#12. ~#13. ~#14. ~#15. ~#16. ~#162.
Net-(Q3-G): Q3.1 R34.1
Net-(Q3-S): Q3.2 Q7.2 U3.11
Net-(Q4-D): Q4.3 R31.1 U4.1 ~#110. ~#111. ~#112. ~#113. ~#114. ~#115. ~#116. ~#117. ~#118.
Net-(Q4-G): Q4.1 R35.1
Net-(Q4-S): Q4.2 Q8.2 U4.11
Net-(Q5-G): Q5.1 R32.2 R36.2 U1.12
Net-(Q6-G): Q6.1 R33.2 R37.2 U2.12
Net-(Q7-G): Q7.1 R34.2 R38.2 U3.12
Net-(Q8-G): Q8.1 R35.2 R39.2 U4.12
Net-(Q9-G): Q9.1 R40.2 U1.9
Net-(Q10-D): Q10.3 Q14.1 R45.2
Net-(Q10-G): Q10.1 R41.2 U2.9
Net-(Q11-D): Q11.3 Q15.1 R46.2
Net-(Q11-G): Q11.1 R42.2 U3.9
Net-(Q12-D): Q12.3 Q16.1 R47.2
Net-(Q12-G): Q12.1 R43.2 U4.9
Net-(Q13-G): Q9.3 Q13.1 R44.2
Net-(Q17-G): Q17.1 U5.2
Net-(Q18-G): Q18.1 U6.2
Net-(Q19-D): Q19.3 R60.1 U7.1 ~#8. ~#55. ~#56. ~#57. ~#58. ~#59. ~#60. ~#61. ~#62.
Net-(Q19-G): Q19.1 R61.1
Net-(Q19-S): Q19.2 Q20.2 U7.11
Net-(Q20-G): Q20.1 R61.2 R64.2 U7.12
Net-(Q21-D): Q21.3 Q22.1 R66.2
Net-(Q21-G): Q21.1 R65.2 U7.9
Net-(Q23-G): Q23.1 R99.1
Net-(Q24-G): Q24.1 R101.1
Net-(Q25-G): Q25.1 R112.1
Net-(Q26-G): Q26.1 R114.1
Net-(Q27-G): Q27.1 R116.1
Net-(Q28-G): Q28.1 R117.1
Net-(Q29-G): Q29.1 R121.1
Net-(Q30-G): Q30.1 R122.1
Net-(Q31-G): Q31.1 R123.1
Net-(Q35-G): Q35.1 R145.1
Net-(Q36-G): Q36.1 R146.1
Net-(Q37-G): Q37.1 R147.1
Net-(Q38-G): Q38.1 R148.1
Net-(Q39-D): Q39.3 Q58.1 R150.2
Net-(Q40-D): Q40.3 Q59.1 R151.2
Net-(Q41-D): Q41.3 Q60.1 R152.2
Net-(Q42-D): Q42.3 Q61.1 R153.2
Net-(Q43-D): Q43.3 Q62.1 R154.2
Net-(Q44-D): Q44.3 Q63.1 R155.2
Net-(Q45-D): Q45.3 Q64.1 R156.2
Net-(Q46-D): Q46.3 Q68.1 R158.2
Net-(Q47-D): Q47.3 Q67.1 R159.2
Net-(Q48-D): Q48.3 Q65.1 R160.2
Net-(Q49-D): Q49.3 Q66.1 R161.2
Net-(Q50-D): Q50.3 U27.3
Net-(Q50-G): Q50.1 R209.2
Net-(Q51-D): Q51.3 U28.3
Net-(Q51-G): Q51.1 R210.2
Net-(Q52-D): Q52.3 U29.3
Net-(Q52-G): Q52.1 R211.2
Net-(Q53-D): Q53.3 U30.3
Net-(Q53-G): Q53.1 R212.2
Net-(Q54-D): Q54.3 U31.3
Net-(Q54-G): Q54.1 R214.2
Net-(Q55-D): Q55.3 U32.3
Net-(Q55-G): Q55.1 R215.2
Net-(Q56-G): Q56.1 R229.2
Net-(Q57-G): Q57.1 R231.2
Net-(Q58-D): P35.1 Q58.3
Net-(Q59-D): P36.1 Q59.3
Net-(Q60-D): P37.1 Q60.3
Net-(Q61-D): P38.1 Q61.3
Net-(Q62-D): P39.1 Q62.3
Net-(Q63-D): P44.1 Q63.3
Net-(Q64-D): P47.1 Q64.3
Net-(Q65-D): P59.1 Q65.3
Net-(Q66-D): P60.1 Q66.3
Net-(Q67-D): P58.1 Q67.3
Net-(Q68-D): P57.1 Q68.3
Net-(R10-Pad1): R9.2 R10.1
Net-(R14-Pad2): R14.2 R15.1
Net-(R19-Pad2): R19.2 R20.1
Net-(R229-Pad1): R229.1 R230.2
Net-(R231-Pad1): R231.1 R232.2
Net-(R233-Pad2): R233.2 R234.1
Net-(R236-Pad2): R236.2 R237.1
Net-(R238-Pad2): R238.2 R239.1
Net-(R241-Pad2): R241.2 R242.1
Net-(U1-GNDSW): R8.2 U1.7
Net-(U1-OV): R7.2 R8.1 U1.6
Net-(U1-TIMER): C9.1 U1.10
Net-(U1-UVH): R6.2 R7.1 U1.5
Net-(U1-UVL): R5.2 R6.1 U1.4
Net-(U1-~{SHDN}): R24.2 U1.3
Net-(U2-GNDSW): R13.2 U2.7
Net-(U2-OV): R12.2 R13.1 U2.6
Net-(U2-TIMER): C10.1 U2.10
Net-(U2-UVH): R11.2 R12.1 U2.5
Net-(U2-UVL): R10.2 R11.1 U2.4
Net-(U2-~{SHDN}): R25.2 U2.3
Net-(U3-GNDSW): R18.2 U3.7
Net-(U3-OV): R17.2 R18.1 U3.6
Net-(U3-TIMER): C11.1 U3.10
Net-(U3-UVH): R16.2 R17.1 U3.5
Net-(U3-UVL): R15.2 R16.1 U3.4
Net-(U3-~{SHDN}): R26.2 U3.3
Net-(U4-GNDSW): R23.2 U4.7
Net-(U4-OV): R22.2 R23.1 U4.6
Net-(U4-TIMER): C12.1 U4.10
Net-(U4-UVH): R21.2 R22.1 U4.5